# Altium PCB PCB_with_drawing_try2.PcbDoc (part 1 of 5)
Units mm, origin at the board's own origin, x right, y up, seen from the top; angles counter-clockwise.
Board outline 187.5 x 240 mm, 2 copper layers (Top Layer, Bottom Layer), stack 2.8 mm thick; 489 components, 419 nets, 1569 pads, 683 vias.
Unrouted connection lines stored in the file: 11.
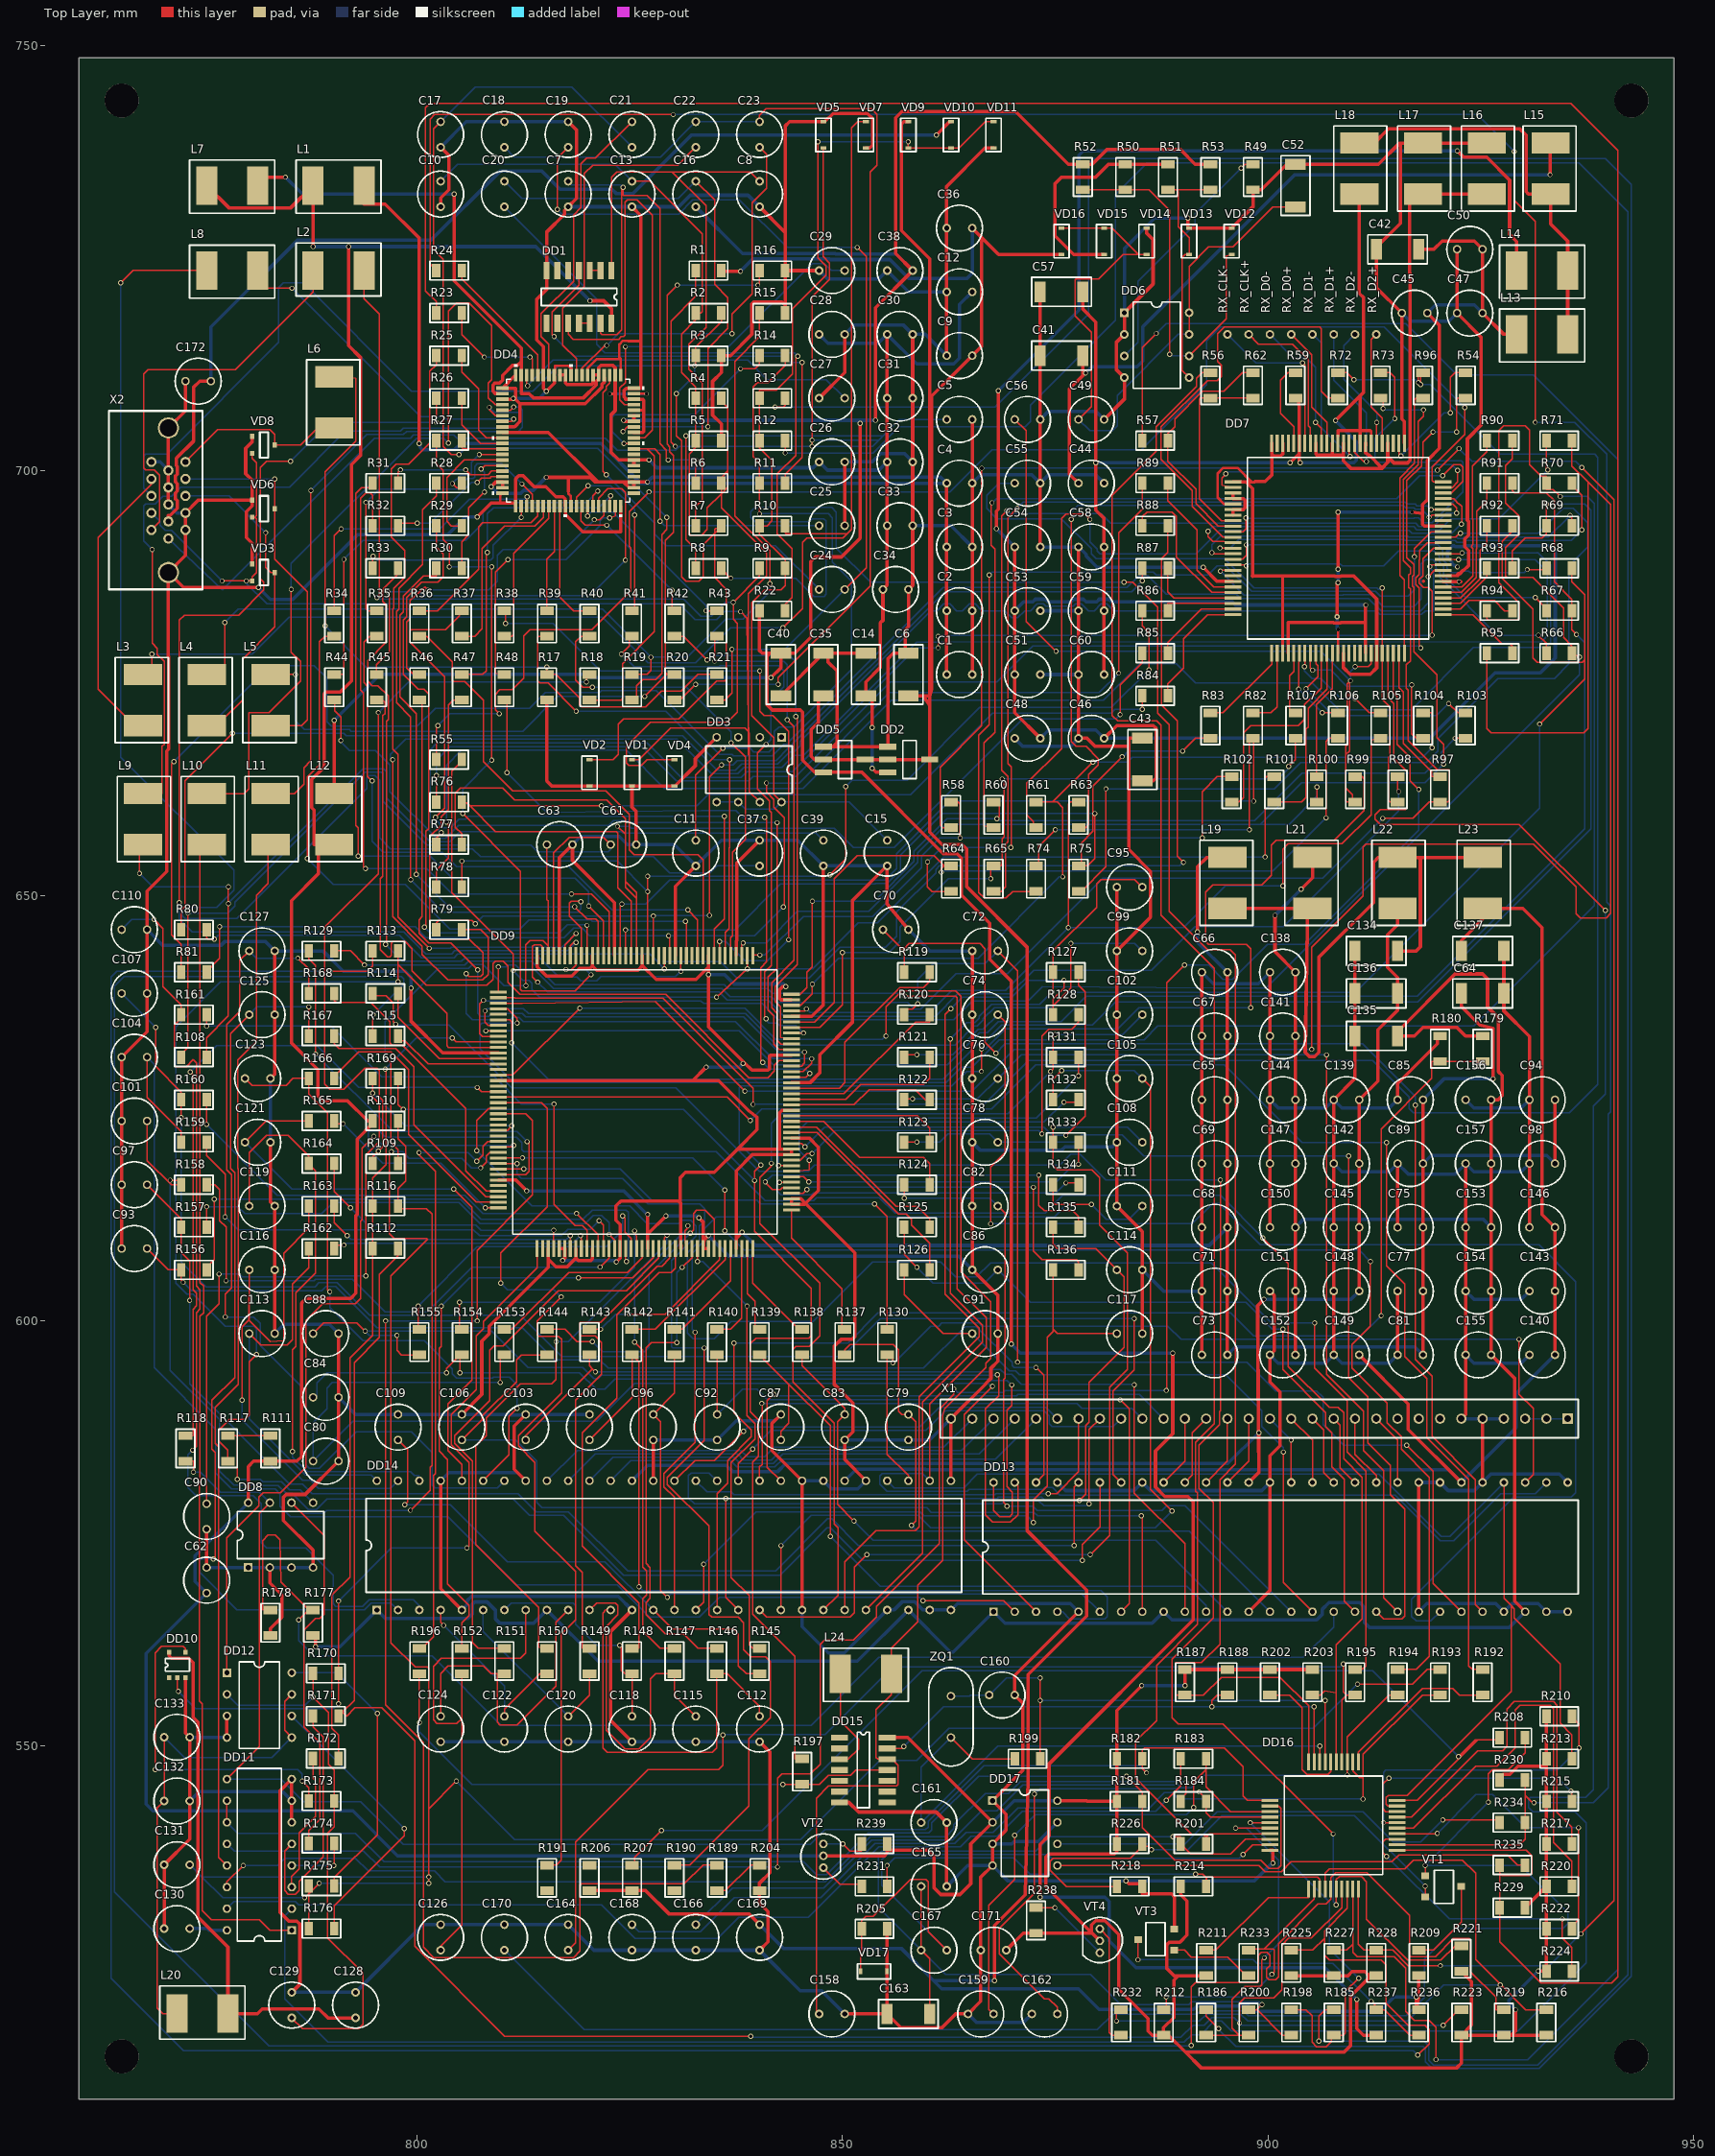
[diagram p0: Top Layer view]
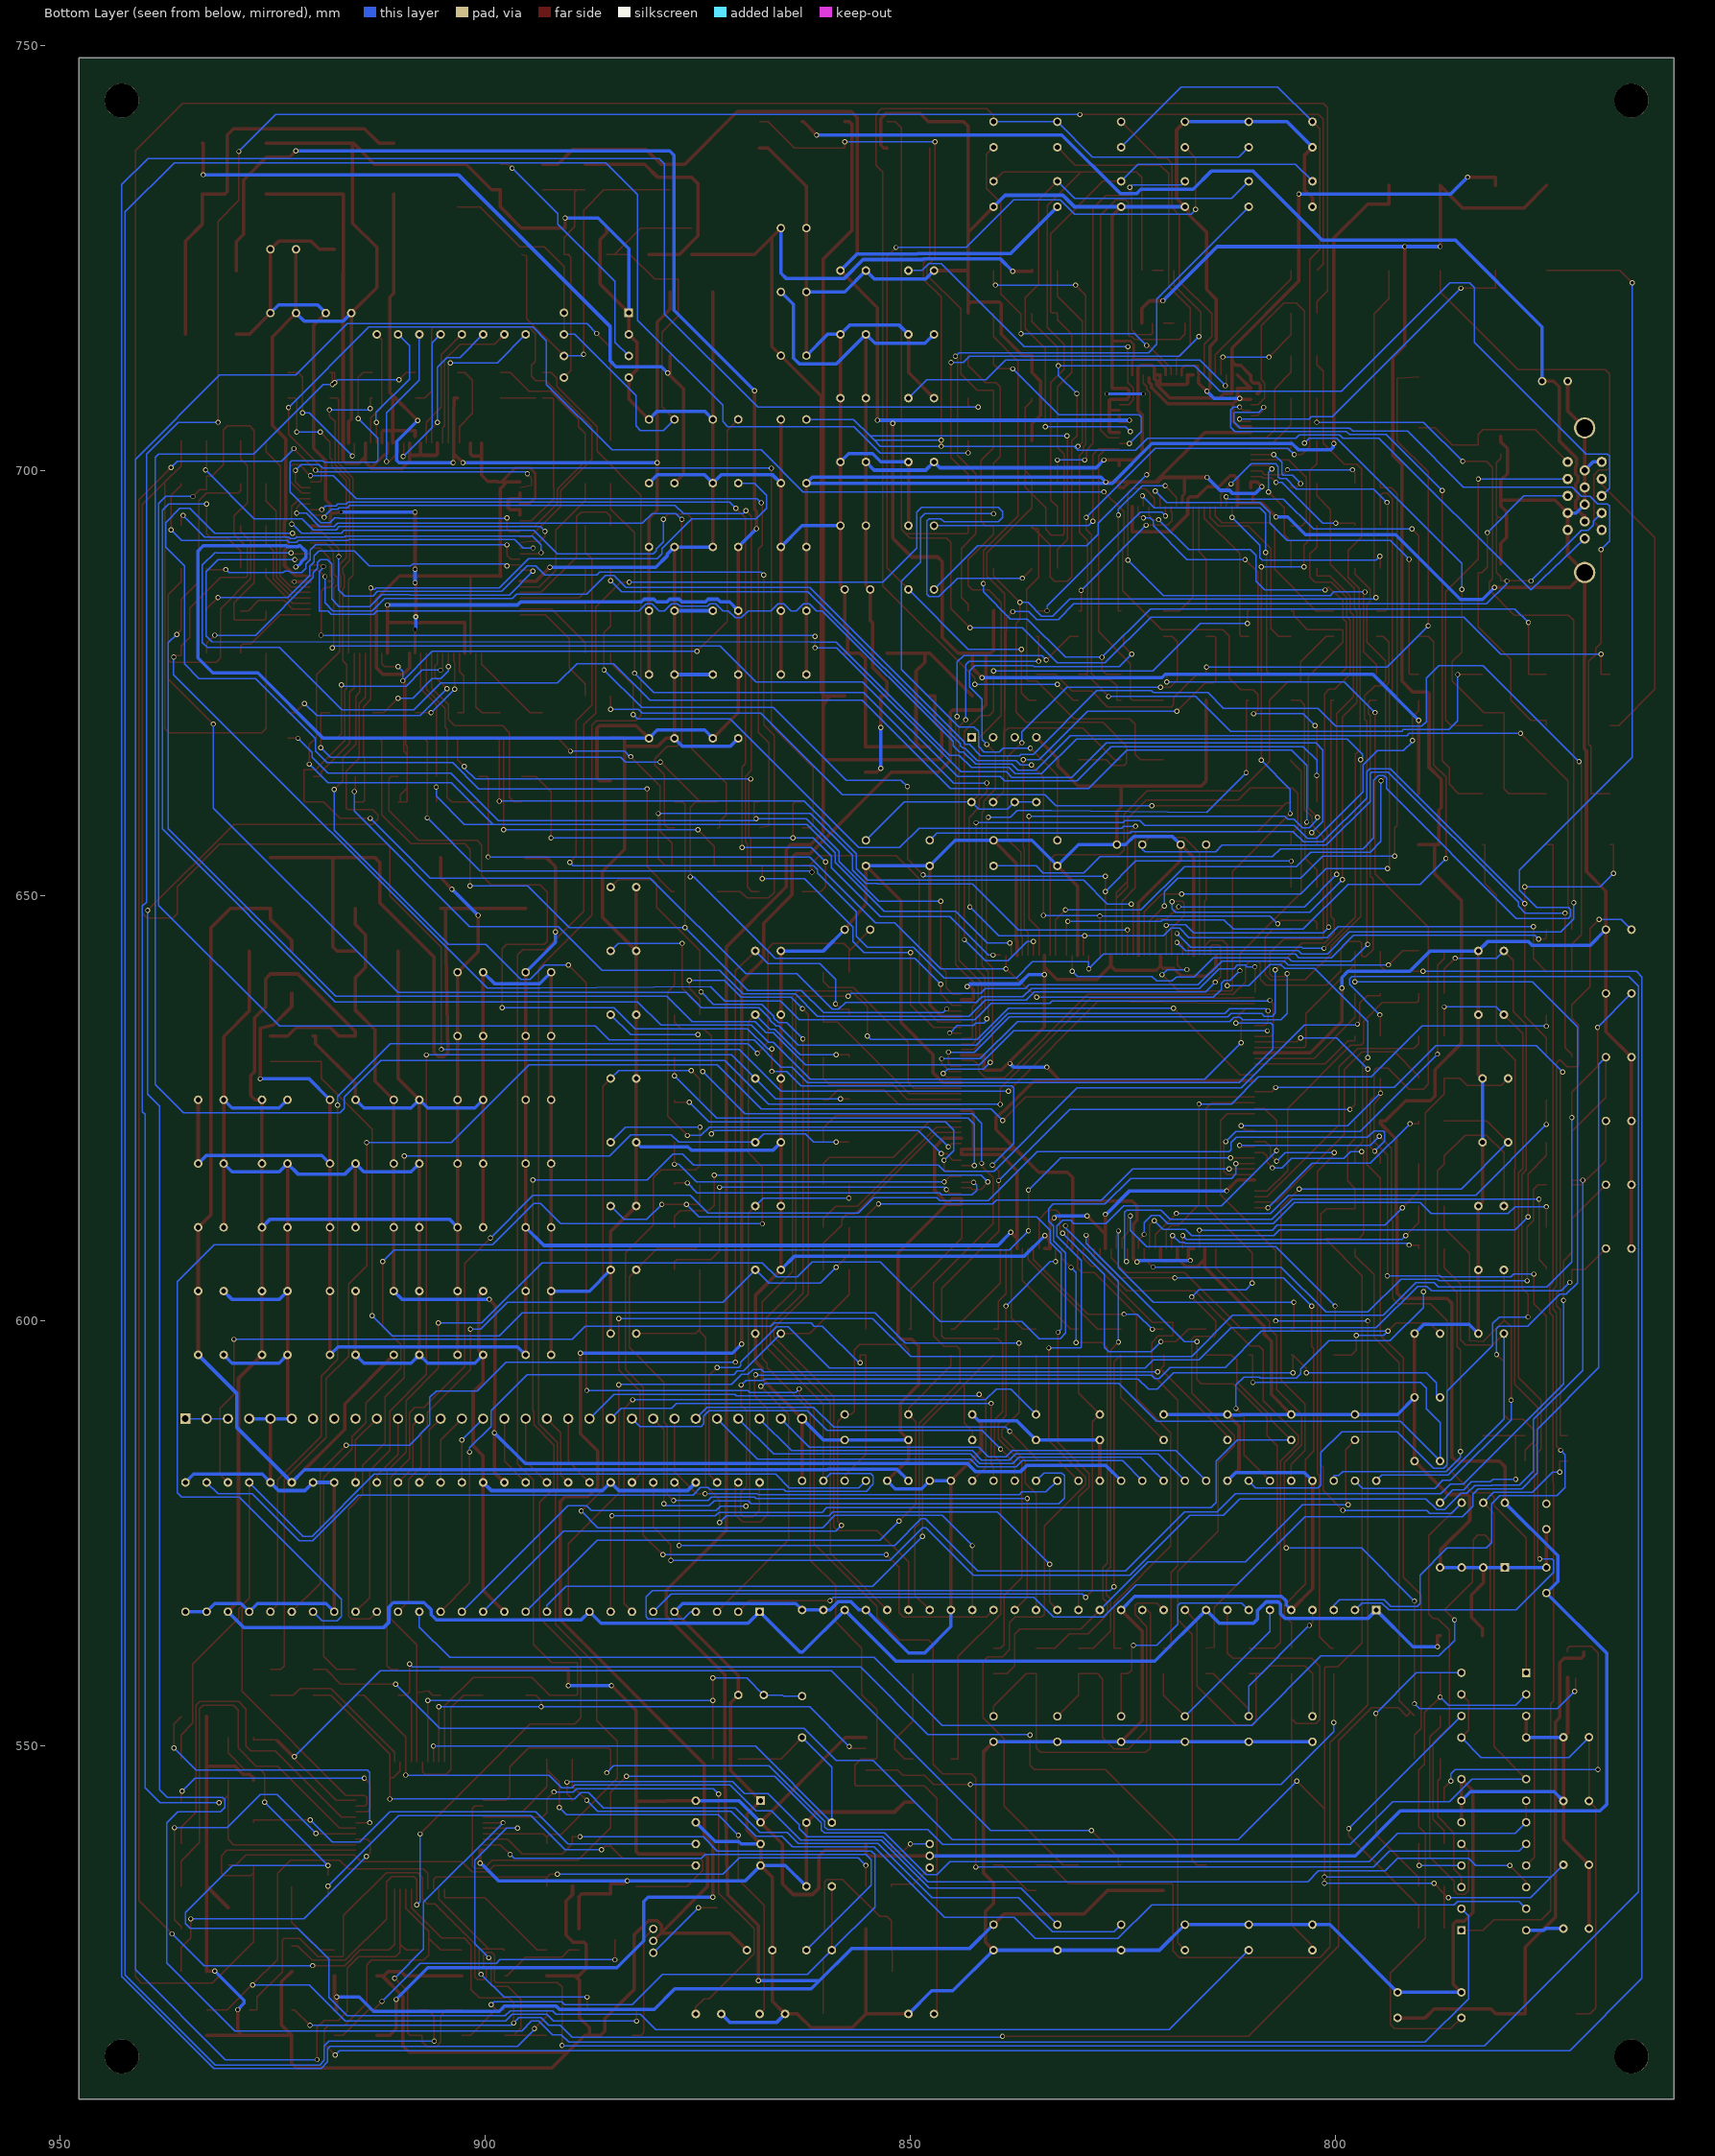
[diagram p1: Bottom Layer view, seen from below]

## Layer stack, top to bottom
Top Solder: solder mask 0.1, Solder Resist, Dk 3.5
Top Layer: signal copper 0.15
Dielectric 1: dielectric 2.5, FR-4, Dk 4.8
Bottom Layer: signal copper 0.15
Bottom Solder: solder mask 0.1, Solder Resist, Dk 3.5

## Board outline
760.25,508.5 947.75,508.5 947.75,748.5 760.25,748.5

## Design rules (kind name [scope] priority, off if disabled: settings)
Clearance [All] p1: gap=0.254 ignorepadtopadclearanceinfootprint=FALSE except(0: Arc-Hole Track-Hole SMDPad-Hole THPad-Hole Via-Hole Fill-Hole Poly-Hole Region-Hole Text-Hole; 0.2: Arc-SMDPad Track-SMDPad SMDPad-SMDPad)
PolygonConnect [All] p1: connectstyle=Relief reliefconductorwidth=0.254 reliefentries=4 polygonreliefangle="90 Angle" airgapwidth=0.254
RoutingVias [All] p1: holewidth=0.4 width=0.6 viastyle="Through Hole" minholewidth=0.3 minwidth=0.6 maxholewidth=0.5 maxwidth=1
SolderMaskExpansion [All] p1: expansion=0.102
Width signal [InNetClass('signal')] p1: maxlimit=0.25 minlimit=0.15 preferedwidth=0.15 minimp=50.000000 maximp=50.000000 favimp=50.000000
Width power [InNetClass('power')] p2: maxlimit=0.6 minlimit=0.3 preferedwidth=0.4 minimp=50.000000 maximp=50.000000 favimp=50.000000
30 further rules are at their usual default settings.

## Classes and differential pairs
component class 31: C1 C2 C3 C4 C5 C6 C7 C8 C9 C10 C11 C12 C13 C14 C15 C16 C17 C18 C19 C20 C21 C22 C23 C24 C25 C26 C27 C28 C29 C30 C31 C32 C33 C34 C35 C36 C37 C38 C39 C40 DD1 DD2 DD3 DD4 DD5 L1 L2 L3 L4 L5 L6 L7 L8 L9 L10 L11 L12 R1 R2 R3 R4 R5 R6 R7 R8 R9 R10 R11 R12 R13 R14 R15 R16 R17 R18 R19 R20 R21 R22 R23 R24 R25 R26 R27 R28 R29 R30 R31 R32 R33 R34 R35 R36 R37 R38 R39 R40 R41 R42 R43 R44 R45 R46 R47 R48 VD1 VD2 VD3 VD4 VD5 VD6 VD7 VD8 VD9 VD10 VD11
component class 32: C41 C42 C43 C44 C45 C46 C47 C48 C49 C50 C51 C52 C53 C54 C55 C56 C57 C58 C59 C60 DD6 DD7 L13 L14 L15 L16 L17 L18 R49 R50 R51 R52 R53 R54 R55 R56 R57 R58 R59 R60 R61 R62 R63 R64 R65 R66 R67 R68 R69 R70 R71 R72 R73 R74 R75 R76 R77 R78 R79 R80 R81 R82 R83 R84 R85 R86 R87 R88 R89 R90 R91 R92 R93 R94 R95 R96 R97 R98 R99 R100 R101 R102 R103 R104 R105 R106 R107 RX_CLK+ RX_CLK- RX_D0+ RX_D0- RX_D1+ RX_D1- RX_D2+ RX_D2- VD12 VD13 VD14 VD15 VD16
component class 33: C61 C62 C63 C64 C65 C66 C67 C68 C69 C70 C71 C72 C73 C74 C75 C76 C77 C78 C79 C80 C81 C82 C83 C84 C85 C86 C87 C88 C89 C90 C91 C92 C93 C94 C95 C96 C97 C98 C99 C100 C101 C102 C103 C104 C105 C106 C107 C108 C109 C110 C111 C112 C113 C114 C115 C116 C117 C118 C119 C120 C121 C122 C123 C124 C125 C126 C127 DD8 DD9 L19 R108 R109 R110 R111 R112 R113 R114 R115 R116 R117 R118 R119 R120 R121 R122 R123 R124 R125 R126 R127 R128 R129 R130 R131 R132 R133 R134 R135 R136 R137 R138 R139 R140 R141 R142 R143 R144 R145 R146 R147 R148 R149 R150 R151 R152 R153 R154 R155 R156 R157 R158 R159 R160 R161 R162 R163 R164 R165 R166 R167 R168 R169
component class 34: C128 C129 C130 C131 C132 C133 DD10 DD11 DD12 L20 R170 R171 R172 R173 R174 R175 R176
component class 35: C134 C135 C136 C137 C138 C139 C140 C141 C142 C143 C144 C145 C146 C147 C148 C149 C150 C151 C152 C153 C154 C155 C156 C157 DD13 DD14 L21 L22 L23 R177 R178 R179 R180 X1
component class 36: C158 C159 C160 C161 C162 C163 C164 C165 C166 C167 C168 C169 C170 C171 DD15 DD16 DD17 L24 R181 R182 R183 R184 R185 R186 R187 R188 R189 R190 R191 R192 R193 R194 R195 R196 R197 R198 R199 R200 R201 R202 R203 R204 R205 R206 R207 R208 R209 R210 R211 R212 R213 R214 R215 R216 R217 R218 R219 R220 R221 R222 R223 R224 R225 R226 R227 R228 R229 R230 R231 R232 R233 R234 R235 R236 R237 R238 R239 VD17 VT1 VT2 VT3 VT4 ZQ1
component class VGA: C172 X2
net class B_INA[0..7]: B_INA0 B_INA1 B_INA2 B_INA3 B_INA4 B_INA5 B_INA6 B_INA7
net class B_INB[0..7]: B_INB0 B_INB1 B_INB2 B_INB3 B_INB4 B_INB5 B_INB6 B_INB7
net class G_INA[0..7]: G_INA0 G_INA1 G_INA2 G_INA3 G_INA4 G_INA5 G_INA6 G_INA7
net class G_INB[0..7]: G_INB0 G_INB1 G_INB2 G_INB3 G_INB4 G_INB5 G_INB6 G_INB7
net class R_INA[0..7]: R_INA0 R_INA1 R_INA2 R_INA3 R_INA4 R_INA5 R_INA6 R_INA7
net class R_INB[0..7]: R_INB0 R_INB1 R_INB2 R_INB3 R_INB4 R_INB5 R_INB6 R_INB7
net class power: 3_3Va 3V3 3V3b 3V3LVDSA 3V3LVDSD 3V3LVDSP 3V3SD 5V_DDC 5V_STBY 5V_VGA 5Va 5Vb +3V3 A3_3V A3V3 D3_3V D3_V3 GND O3_3V P3_3V P3V3 PKA_GND
net class signal: 12MHZ 9883_HS 9883_VS ADC1 ADC2 ASIC_H ASIC_RESET ASIC_SCL ASIC_SDA AUDIO_EN AUDIO_MUTE B_IN B_INA0 B_INA1 B_INA2 B_INA3 B_INA4 B_INA5 B_INA6 B_INA7 B_INB0 B_INB1 B_INB2 B_INB3 B_INB4 B_INB5 B_INB6 B_INB7 BA0 BA1 BA2 BA3 BA4 BA5 BA6 BA7 BB0 BB1 BB2 BB3 BB4 BB5 BB6 BB7 BL_ON_OFF COAST DE_IN FBLK FCLK1 G_IN G_INA0 G_INA1 G_INA2 G_INA3 G_INA4 G_INA5 G_INA6 G_INA7 G_INB0 G_INB1 G_INB2 G_INB3 G_INB4 G_INB5 G_INB6 G_INB7 GA0 GA1 GA2 GA3 GA4 GA5 GA6 GA7 GB0 GB1 GB2 GB3 GB4 GB5 GB6 GB7 HP_SENSE HSYNC_D HSYNC_IN HSYNC_X INPUT_SELECT LCD_CLK LCD_DE LCD_VCC LVDS_PD MCU_H_IN MCU_ISP_SCL MCU_ISP_SDA MCU_SCL1 MCU_SDA1 MCU_V_IN NetC7_1 NetC8_1 NetC11_1 NetC15_1 NetC16_1 NetC17_1 NetC18_1 NetC19_1 NetC20_2 NetC21_1 NetC22_1 NetC23_1 NetC24_1 NetC27_2 NetC29_2 NetC49_2 NetC55_2 NetC56_2 NetC61_2 NetC63_2 NetC90_2 NetC129_1 NetC132_1 NetC159_2 NetC160_1 NetC161_1 NetC162_2 NetC163_1 NetC164_1 NetC166_1 NetC167_1 NetC168_1 NetC170_1 NetDD1_2 NetDD1_4 NetDD1_11 NetDD4_2 NetDD4_3 NetDD4_4 NetDD4_5 NetDD4_6 NetDD4_7 NetDD4_8 NetDD4_9 NetDD4_12 NetDD4_13 NetDD4_14 NetDD4_15 NetDD4_16 NetDD4_17 NetDD4_18 NetDD4_19 NetDD4_56 NetDD4_57 NetDD4_64 NetDD4_65 NetDD4_66 NetDD4_67 NetDD4_70 NetDD4_71 NetDD4_72 NetDD4_73 NetDD4_74 NetDD4_75 NetDD4_76 NetDD4_77 NetDD6_3 NetDD6_5 NetDD6_6 NetDD7_8 NetDD7_9 NetDD7_10 NetDD7_11 NetDD7_12 NetDD7_13 NetDD7_14 NetDD7_15 NetDD7_16 NetDD7_17 NetDD7_20 NetDD7_21 NetDD7_22 NetDD7_23 NetDD7_24 NetDD7_25 NetDD7_26 NetDD7_27 NetDD7_30 NetDD7_31 NetDD7_32 NetDD7_33 NetDD7_34 NetDD7_35 NetDD7_36 NetDD7_37 NetDD7_49 NetDD7_50 NetDD7_51 NetDD7_52 NetDD7_53 NetDD7_54 NetDD7_55 NetDD7_56 NetDD7_59 NetDD7_60 NetDD7_61 NetDD7_62 NetDD7_63 NetDD7_64 NetDD7_65 NetDD7_66 NetDD7_69 NetDD7_70 NetDD7_71 NetDD7_72 NetDD7_73 NetDD7_74 NetDD7_75 NetDD7_77 NetDD7_80 NetDD7_81 NetDD7_85 NetDD7_86 NetDD7_90 NetDD7_91 NetDD7_93 NetDD7_94 NetDD7_96 NetDD8_5 NetDD9_11 NetDD9_13 NetDD9_14 NetDD9_19 NetDD9_33 NetDD9_34 NetDD9_37 NetDD9_38 NetDD9_39 NetDD9_40 NetDD9_44 NetDD9_47 NetDD9_49 NetDD9_50 NetDD9_52 NetDD9_53 NetDD9_54 NetDD9_55 NetDD9_57 NetDD9_58 NetDD9_59 NetDD9_60 NetDD9_62 NetDD9_63 NetDD9_64 NetDD9_65 NetDD9_66 NetDD9_68 NetDD9_69 NetDD9_70 NetDD9_73 NetDD9_74 NetDD9_75 NetDD9_76 NetDD9_78 NetDD9_79 NetDD9_80 NetDD9_81 NetDD9_84 NetDD9_85 NetDD9_86 NetDD9_87 NetDD9_88 NetDD9_89 NetDD9_90 NetDD9_93 NetDD9_95 NetDD9_96 NetDD9_97 NetDD9_98 NetDD9_100 NetDD9_101 NetDD9_102 NetDD9_103 NetDD10_4 NetDD11_3 NetDD11_4 NetDD11_5 NetDD12_6 NetDD12_8 NetDD13_17 NetDD13_37 NetDD13_38 NetDD13_39 NetDD13_40 NetDD13_41 NetDD13_42 NetDD13_45 NetDD13_46 NetDD13_47 NetDD13_48 NetDD14_17 NetDD14_37 NetDD14_38 NetDD14_39 NetDD14_40 NetDD14_41 NetDD14_42 NetDD14_45 NetDD14_46 NetDD14_47 NetDD14_48 NetDD15_3 NetDD15_11 NetDD15_13 NetDD16_1 NetDD16_6 NetDD16_15 NetDD16_16 NetDD16_23 NetDD16_24 NetDD16_40 NetDD16_42 NetDD16_43 NetDD16_44 NetDD17_5 NetDD17_6 NetL2_2 NetL3_2 NetL4_2 NetL5_2 NetL6_2 NetR209_2 NetR218_2 NetR231_2 NetR232_2 NetR233_2 NetR236_1 NetR238_1 NetR239_1 OSD_B OSD_CLK OSD_G OSD_HS OSD_R OSD_VS PD PDO POWER_ON_OFF PSC0 PSC1 R_IN R_INA0 R_INA1 R_INA2 R_INA3 R_INA4 R_INA5 R_INA6 R_INA7 R_INB0 R_INB1 R_INB2 R_INB3 R_INB4 R_INB5 R_INB6 R_INB7 RA0 RA1 RA2 RA3 RA4 RA5 RA6 RA7 RB0 RB1 RB2 RB3 RB4 RB5 RB6 RB7 ROM_SCL ROM_SCL_ASIC ROM_SCL_EEPROM ROM_SDA SCDT VCLK00 VCLK01 VGA_CON VGA_CONN VGA_HS VGA_SCL VGA_SDA VGA_VS VLCK00 VSYNC_D VSYNC_IN VSYNC_MCU

## Components (designator, comment, footprint, x,y, rotation, side; value= is the part's Value field where it differs from the comment)
C1 "Capacitor" cap_electro_13 863.75,676 r0 top
C2 "Capacitor" cap_electro_13 863.75,683.5 r0 top
C3 "Capacitor" cap_electro_13 863.75,691 r0 top
C4 "Capacitor" cap_electro_13 863.75,698.5 r0 top
C5 "Capacitor" cap_electro_13 863.75,706 r0 top
C6 "TuningCapacitor" Cap_tantal_D 857.75,676 r270 top
C7 "Capacitor" cap_electro_13 817.75,732.5 r270 top
C8 "Capacitor" cap_electro_13 840.25,732.5 r270 top
C9 "Capacitor" cap_electro_13 863.75,713.5 r180 top
C10 "Capacitor" cap_electro_13 802.75,732.5 r270 top
C11 "Capacitor" cap_electro_13 832.75,655 r270 top
C12 "Capacitor" cap_electro_13 863.75,721 r180 top
C13 "Capacitor" cap_electro_13 825.25,732.5 r270 top
C14 "TuningCapacitor" Cap_tantal_D 852.75,676 r270 top
C15 "Capacitor" cap_electro_13 855.25,655 r270 top
C16 "Capacitor" cap_electro_13 832.75,732.5 r270 top
C17 "Capacitor" cap_electro_13 802.75,739.5 r270 top
C18 "Capacitor" cap_electro_13 810.25,739.5 r90 top
C19 "Capacitor" cap_electro_13 817.75,739.5 r90 top
C20 "Capacitor" cap_electro_13 810.25,732.5 r270 top
C21 "Capacitor" cap_electro_13 825.25,739.5 r270 top
C22 "Capacitor" cap_electro_13 832.75,739.5 r90 top
C23 "Capacitor" cap_electro_13 840.25,739.5 r90 top
C24 "Capacitor" cap_electro_13 848.75,686 r0 top
C25 "Capacitor" cap_electro_13 848.75,693.5 r180 top
C26 "Capacitor" cap_electro_13 848.75,701 r0 top
C27 "Capacitor" cap_electro_13 848.75,708.5 r0 top
C28 "Capacitor" cap_electro_13 848.75,716 r0 top
C29 "Capacitor" cap_electro_13 848.75,723.5 r0 top
C30 "Capacitor" cap_electro_13 856.75,716 r0 top
C31 "Capacitor" cap_electro_13 856.75,708.5 r0 top
C32 "Capacitor" cap_electro_13 856.75,701 r0 top
C33 "Capacitor" cap_electro_13 856.75,693.5 r0 top
C34 "Capacitor" cap_electro_13 856.25,686 r0 top
C35 "TuningCapacitor" Cap_tantal_D 847.75,676 r270 top
C36 "Capacitor" cap_electro_13 863.75,728.5 r180 top
C37 "Capacitor" cap_electro_13 840.25,655 r90 top
C38 "Capacitor" cap_electro_13 856.75,723.5 r180 top
C39 "Capacitor" cap_electro_13 847.75,655 r270 top
C40 "TuningCapacitor" Cap_tantal_D 842.75,676 r90 top
C41 "TuningCapacitor" Cap_tantal_D 875.75,713.5 r0 top
C42 "TuningCapacitor" Cap_tantal_D 915.25,726 r0 top
C43 "TuningCapacitor" Cap_tantal_D 885.25,666 r270 top
C44 "Capacitor" cap_electro_13 879.25,698.5 r180 top
C45 "Capacitor" cap_electro_13 917.25,718.5 r0 top
C46 "Capacitor" cap_electro_13 879.25,668.5 r0 top
C47 "Capacitor" cap_electro_13 923.75,718.5 r0 top
C48 "Capacitor" cap_electro_13 871.75,668.5 r0 top
C49 "Capacitor" cap_electro_13 879.25,706 r180 top
C50 "Capacitor" cap_electro_13 923.75,726 r0 top
C51 "Capacitor" cap_electro_13 871.75,676 r180 top
C52 "TuningCapacitor" Cap_tantal_D 903.25,733.5 r270 top
C53 "Capacitor" cap_electro_13 871.75,683.5 r180 top
C54 "Capacitor" cap_electro_13 871.75,691 r180 top
C55 "Capacitor" cap_electro_13 871.75,698.5 r180 top
C56 "Capacitor" cap_electro_13 871.75,706 r180 top
C57 "TuningCapacitor" Cap_tantal_D 875.75,721 r0 top
C58 "Capacitor" cap_electro_13 879.25,691 r0 top
C59 "Capacitor" cap_electro_13 879.25,683.5 r0 top
C60 "Capacitor" cap_electro_13 879.25,676 r0 top
C61 "Capacitor" cap_electro_13 824.25,656 r180 top
C62 "Capacitor" cap_electro_13 775.25,569.5 r270 top
C63 "Capacitor" cap_electro_13 816.75,656 r180 top
C64 "TuningCapacitor" Cap_tantal_D 925.25,638.5 r180 top
C65 "Capacitor" cap_electro_13 893.75,626 r0 top
C66 "Capacitor" cap_electro_13 893.75,641 r0 top
C67 "Capacitor" cap_electro_13 893.75,633.5 r0 top
C68 "Capacitor" cap_electro_13 893.75,611 r0 top
C69 "Capacitor" cap_electro_13 893.75,618.5 r0 top
C70 "Capacitor" cap_electro_13 856.25,646 r180 top
C71 "Capacitor" cap_electro_13 893.75,603.5 r0 top
C72 "Capacitor" cap_electro_13 866.75,643.5 r0 top
C73 "Capacitor" cap_electro_13 893.75,596 r0 top
C74 "Capacitor" cap_electro_13 866.75,636 r0 top
C75 "Capacitor" cap_electro_13 916.75,611 r0 top
C76 "Capacitor" cap_electro_13 866.75,628.5 r0 top
C77 "Capacitor" cap_electro_13 916.75,603.5 r0 top
C78 "Capacitor" cap_electro_13 866.75,621 r0 top
C79 "Capacitor" cap_electro_13 857.75,587.5 r90 top
C80 "Capacitor" cap_electro_13 789.25,583.5 r180 top
C81 "Capacitor" cap_electro_13 916.75,596 r0 top
C82 "Capacitor" cap_electro_13 866.75,613.5 r0 top
C83 "Capacitor" cap_electro_13 850.25,587.5 r90 top
C84 "Capacitor" cap_electro_13 789.25,591 r180 top
C85 "Capacitor" cap_electro_13 916.75,626 r0 top
C86 "Capacitor" cap_electro_13 866.75,606 r0 top
C87 "Capacitor" cap_electro_13 842.75,587.5 r270 top
C88 "Capacitor" cap_electro_13 789.25,598.5 r180 top
C89 "Capacitor" cap_electro_13 916.75,618.5 r0 top
C90 "Capacitor" cap_electro_13 775.25,577 r90 top
C91 "Capacitor" cap_electro_13 866.75,598.5 r180 top
C92 "Capacitor" cap_electro_13 835.25,587.5 r90 top
C93 "Capacitor" cap_electro_13 766.75,608.5 r0 top
C94 "Capacitor" cap_electro_13 932.25,626 r0 top
C95 "Capacitor" cap_electro_13 883.75,651 r0 top
C96 "Capacitor" cap_electro_13 827.75,587.5 r90 top
C97 "Capacitor" cap_electro_13 766.75,616 r0 top
C98 "Capacitor" cap_electro_13 932.25,618.5 r0 top
C99 "Capacitor" cap_electro_13 883.75,643.5 r0 top
C100 "Capacitor" cap_electro_13 820.25,587.5 r270 top
C101 "Capacitor" cap_electro_13 766.75,623.5 r0 top
C102 "Capacitor" cap_electro_13 883.75,636 r0 top
C103 "Capacitor" cap_electro_13 812.75,587.5 r270 top
C104 "Capacitor" cap_electro_13 766.75,631 r0 top
C105 "Capacitor" cap_electro_13 883.75,628.5 r0 top
C106 "Capacitor" cap_electro_13 805.25,587.5 r270 top
C107 "Capacitor" cap_electro_13 766.75,638.5 r180 top
C108 "Capacitor" cap_electro_13 883.75,621 r0 top
C109 "Capacitor" cap_electro_13 797.75,587.5 r270 top
C110 "Capacitor" cap_electro_13 766.75,646 r180 top
C111 "Capacitor" cap_electro_13 883.75,613.5 r0 top
C112 "Capacitor" cap_electro_13 840.25,552 r90 top
C113 "Capacitor" cap_electro_13 781.75,598.5 r180 top
C114 "Capacitor" cap_electro_13 883.75,606 r180 top
C115 "Capacitor" cap_electro_13 832.75,552 r90 top
C116 "Capacitor" cap_electro_13 781.75,606 r180 top
C117 "Capacitor" cap_electro_13 883.75,598.5 r180 top
C118 "Capacitor" cap_electro_13 825.25,552 r90 top
C119 "Capacitor" cap_electro_13 781.75,613.5 r180 top
C120 "Capacitor" cap_electro_13 817.75,552 r90 top
C121 "Capacitor" cap_electro_13 781.25,621 r180 top
C122 "Capacitor" cap_electro_13 810.25,552 r90 top
C123 "Capacitor" cap_electro_13 781.25,628.5 r180 top
C124 "Capacitor" cap_electro_13 802.75,552 r90 top
C125 "Capacitor" cap_electro_13 781.75,636 r180 top
C126 "Capacitor" cap_electro_13 802.75,527.5 r270 top
C127 "Capacitor" cap_electro_13 781.75,643.5 r180 top
C128 "Capacitor" cap_electro_13 792.75,519.54 r90 top
C129 "Capacitor" cap_electro_13 785.25,519.54 r90 top
C130 "Capacitor" cap_electro_13 771.75,528.54 r0 top
C131 "Capacitor" cap_electro_13 771.75,536.04 r180 top
C132 "Capacitor" cap_electro_13 771.75,543.54 r0 top
C133 "Capacitor" cap_electro_13 771.75,551.04 r0 top
C134 "TuningCapacitor" Cap_tantal_D 912.75,643.5 r0 top
C135 "TuningCapacitor" Cap_tantal_D 912.75,633.5 r0 top
C136 "TuningCapacitor" Cap_tantal_D 912.75,638.5 r0 top
C137 "TuningCapacitor" Cap_tantal_D 925.25,643.5 r180 top
C138 "Capacitor" cap_electro_13 901.75,641 r0 top
C139 "Capacitor" cap_electro_13 909.25,626 r0 top
C140 "Capacitor" cap_electro_13 932.25,596 r0 top
C141 "Capacitor" cap_electro_13 901.75,633.5 r0 top
C142 "Capacitor" cap_electro_13 909.25,618.5 r0 top
C143 "Capacitor" cap_electro_13 932.25,603.5 r0 top
C144 "Capacitor" cap_electro_13 901.75,626 r0 top
C145 "Capacitor" cap_electro_13 909.25,611 r0 top
C146 "Capacitor" cap_electro_13 932.25,611 r0 top
C147 "Capacitor" cap_electro_13 901.75,618.5 r0 top
C148 "Capacitor" cap_electro_13 909.25,603.5 r0 top
C149 "Capacitor" cap_electro_13 909.25,596 r0 top
C150 "Capacitor" cap_electro_13 901.75,611 r0 top
C151 "Capacitor" cap_electro_13 901.75,603.5 r0 top
C152 "Capacitor" cap_electro_13 901.75,596 r0 top
C153 "Capacitor" cap_electro_13 924.75,611 r0 top
C154 "Capacitor" cap_electro_13 924.75,603.5 r0 top
C155 "Capacitor" cap_electro_13 924.75,596 r0 top
C156 "Capacitor" cap_electro_13 924.75,626 r0 top
C157 "Capacitor" cap_electro_13 924.75,618.5 r0 top
C158 "Capacitor" cap_electro_13 848.75,518.5 r0 top
C159 "Capacitor" cap_electro_13 866.25,518.5 r0 top
C160 "Capacitor" cap_electro_13 868.75,556 r0 top
C161 "Capacitor" cap_electro_13 860.75,541 r0 top
C162 "Capacitor" cap_electro_13 873.75,518.5 r0 top
C163 "TuningCapacitor" Cap_tantal_D 857.75,518.5 r0 top
C164 "Capacitor" cap_electro_13 817.75,527.5 r90 top
C165 "Capacitor" cap_electro_13 860.75,533.5 r180 top
C166 "Capacitor" cap_electro_13 832.75,527.5 r270 top
C167 "Capacitor" cap_electro_13 860.75,526 r180 top
C168 "Capacitor" cap_electro_13 825.25,527.5 r270 top
C169 "Capacitor" cap_electro_13 840.25,527.5 r270 top
C170 "Capacitor" cap_electro_13 810.25,527.5 r90 top
C171 "Capacitor" cap_electro_13 867.75,526 r180 top
C172 "Capacitor" cap_electro_13 774.25,710.5 r0 top
DD1 "74LVX14" 74LVX14(SO-14) 822.83,723.415 r270 top
DD2 "AIC1732" AIC1732(SOT-89) 858,666 r0 top
DD3 "24C21" 24Cxx 842.83,668.62 r270 top
DD4 "AD9883ABSTZ-140" ST_80_2_ADI 817.75,703.5 r90 top
DD5 "AIC1732" AIC1732(SOT-89) 850.425,666 r0 top
DD6 "24C02" 24Cxx 883.13,718.54 r0 top